# Altium PCB fpga.PcbDoc (part 8 of 11) (continued)
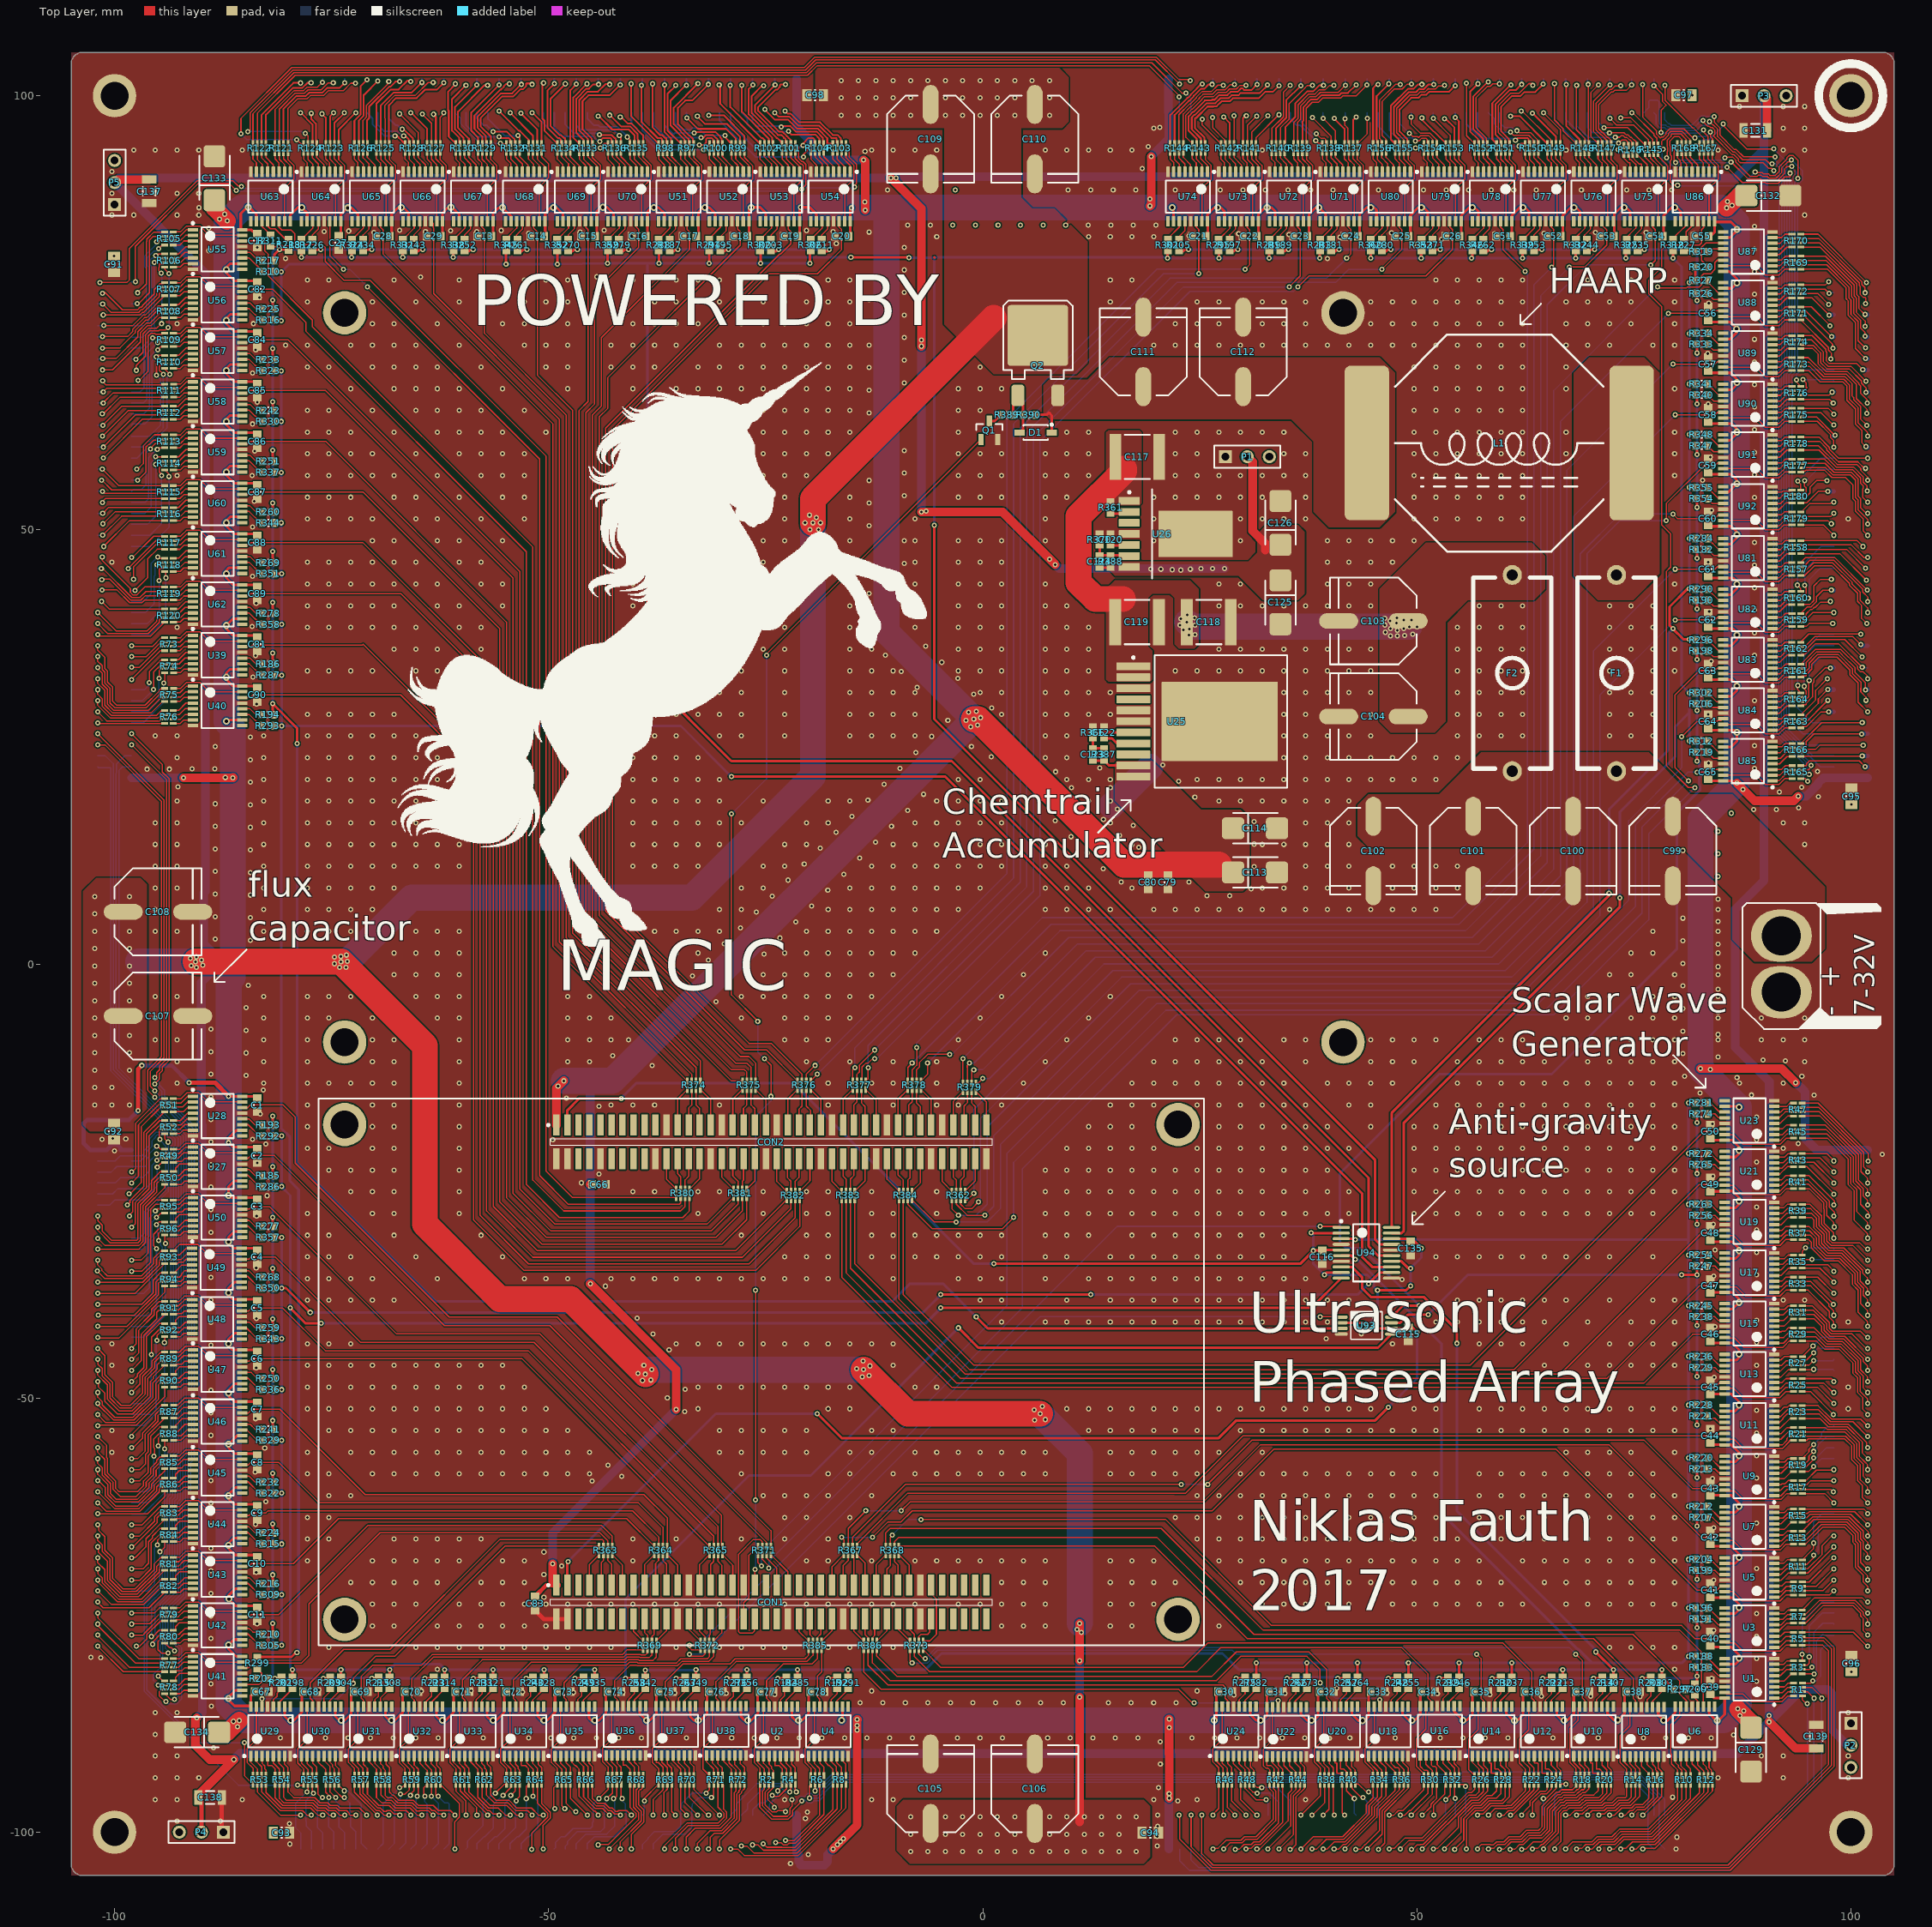
[diagram p0: Top Layer view]
## Nets (pads, with @x,y where several pads share a name; then routed paths per layer and width w, separated by ;. In a path a pad name is that pad's centre, name@x,y a point inside that pad or via, vN(x,y) a via of type N, cw(c..) or ccw(c..) an arc to the next point about the centre after c; other vN are vias at no path point) (continued)
NetJ8_9: J8.9 R168.5 | length 95.4
  Top Layer w0.15: v1@78.163,93.837 78.281,93.718 v1(78.388,93.825) 78.232,93.981 78.232,94.767 78.373,94.909 78.373,94.958 78.498,94.958 78.981,95.442 78.981,95.625 79.245,95.89 80.558,95.89 81.458,94.99 R168.5@81.458,94.742 ; v1(85.75,91.77) 87.501,90.019 90.134,90.019 90.243,89.91 91.646,89.91 92.382,90.646 93.015,90.646 v1(93.015,91.096)
  Bottom Layer w0.15: v1(78.388,93.825) 78.266,93.703 78.266,92.473 79.235,91.504 80.149,91.504 80.415,91.77 v1(85.75,91.77) ; v1(93.015,91.096) 93.028,91.096 93.116,91.008 92.945,90.837 92.945,68.785 92.301,68.141 92.301,27.073 94.258,25.116 94.485,25.116 95.636,23.965 J8.9@98.05,23.965
NetJ8_10: J8.10 R166.5 | length 8.1
  Top Layer w0.15: R166.5@93.859,23.901 93.884,23.876 94.666,23.876 94.742,23.952 v1(101.321,23.952)
  Bottom Layer w0.5: v1(101.321,23.952) 101.333,23.965 J8.10@101.95,23.965
NetJ8_11: J8.11 R168.6 | length 94.4
  Top Layer w0.15: v1(78.791,92.837) 78.791,92.906 78.816,92.931 78.867,92.88 78.867,93.562 78.913,93.608 78.913,94.043 78.867,94.089 78.867,94.904 79.281,95.317 79.281,95.486 79.385,95.59 80.432,95.59 81.01,95.012 R168.6@81.01,94.472 ; v1(86.208,92.38) 88.201,90.386 89.663,90.386 89.596,90.319 90.259,90.319 90.288,90.29 90.383,90.29 90.463,90.21 91.522,90.21 92.362,91.05 92.362,91.583 92.625,91.846 v1(93.193,91.846)
  Bottom Layer w0.15: v1(78.791,92.837) 78.791,92.846 78.799,92.854 78.799,92.6 79.206,92.194 79.206,92.188 79.589,91.804 80.024,91.804 80.498,92.278 85.516,92.278 85.533,92.295 85.968,92.295 85.985,92.278 86.106,92.278 v1(86.208,92.38) ; v1(93.193,91.846) 93.193,91.725 93.718,91.2 93.718,91.056 93.379,90.718 93.379,90.427 93.245,90.293 93.245,68.66 92.601,68.017 92.601,27.197 94.382,25.416 94.61,25.416 94.79,25.235 J8.11@98.05,25.235
NetJ8_12: J8.12 R166.6 | length 7.5
  Top Layer w0.15: R166.6@94.234,24.4 94.359,24.525 94.783,24.525 94.998,24.74 95.961,24.74 96.418,25.197 v1(101.422,25.197)
NetJ8_13: J8.13 R168.7 | length 95.1
  Top Layer w0.15: v1(80.035,89.713) 79.553,89.713 79.213,90.052 79.213,92.517 79.341,92.645 79.341,92.848 79.335,92.855 79.335,93.061 79.213,93.182 79.213,94.167 79.167,94.213 79.167,94.779 79.677,95.29 80.199,95.29 80.51,94.979 R168.7@80.51,94.472 ; v1(88.976,91.211) 89.052,91.135 89.812,91.135 89.961,90.986 90.536,90.986 90.712,90.81 91.273,90.81 91.762,91.299 91.762,91.831 92.617,92.686 92.617,92.826 92.924,93.133 93.359,93.133 93.904,92.589 v1(93.904,90.5)
  Bottom Layer w0.15: v1(80.035,89.713) 80.112,89.637 87.401,89.637 v1(88.976,91.211) ; v1(93.904,90.5) 93.904,90.272 93.878,90.246 93.751,90.246 93.545,90.04 93.545,68.536 92.901,67.892 92.901,28.105 94.501,26.505 J8.13@98.05,26.505
NetJ8_14: J8.14 R166.7 | length 8.8
  Top Layer w0.15: R166.7@94.234,24.9 94.234,24.976 94.283,25.025 94.859,25.025 94.859,25.601 95.75,26.492 v1(101.244,26.492)
  Bottom Layer w0.5: v1(101.244,26.492) 101.257,26.505 J8.14@101.95,26.505
NetJ8_15: J8.15 R168.8 | length 88.1
  Top Layer w0.15: v1(79.807,92.329) 79.781,92.329 79.731,92.278 79.641,92.368 79.641,92.973 79.635,92.979 79.635,93.965 79.652,93.982 79.652,94.114 R168.8@80.01,94.472 ; v1(85.496,92.837) 85.564,92.905 86.425,92.905 86.733,92.597 86.733,92.385 88.432,90.686 89.194,90.686 89.342,90.835 89.687,90.835 89.836,90.686 90.412,90.686 90.412,90.59 ; 90.508,90.59 90.588,90.51 91.398,90.51 92.062,91.174 92.062,91.707 92.726,92.371 93.11,92.371 93.142,92.403 v1(93.142,92.608)
  Bottom Layer w0.15: v1(79.807,92.329) 80.125,92.329 80.374,92.578 85.365,92.578 85.496,92.71 v1(85.496,92.837) ; v1(93.142,92.608) 93.173,92.608 94.429,91.353 94.429,90.283 94.092,89.946 93.878,89.946 93.878,88.646 93.845,88.612 93.845,68.412 93.201,67.768 93.201,30.15 95.576,27.775 J8.15@98.05,27.775
NetJ8_16: J8.16 R166.8 | length 8.1
  Top Layer w0.15: R166.8@94.234,25.4 96.622,27.788 v1(101.321,27.788)
NetJ8_17: J8.17 R163.5 | length 4.6
  Top Layer w0.15: R163.5@94.226,27.19 94.351,27.315 94.851,27.315 96.568,29.032 v1(97.434,29.032)
  Bottom Layer w0.5: v1(97.434,29.032) 97.447,29.045 J8.17@98.05,29.045
NetJ8_18: J8.18 R161.5 | length 13.3
  Top Layer w0.15: R161.5@94.226,33.032 94.351,33.157 94.851,33.157 94.851,33.308 95.499,33.957 95.499,34.532 96.313,35.346 98.4,35.346 99.896,33.85 99.896,33.318 100.838,32.376 100.838,30.157 v1(101.95,29.045)
NetJ8_19: J8.19 R163.6 | length 4.3
  Top Layer w0.15: R163.6@94.226,27.69 94.67,27.69 97.231,30.251 97.307,30.251 97.307,30.328 v1(97.333,30.353)
NetJ8_20: J8.20 R161.6 | length 12.1
  Top Layer w0.15: R161.6@94.226,33.532 94.65,33.532 95.151,34.033 95.151,34.039 95.199,34.087 95.199,34.657 96.188,35.646 98.525,35.646 100.196,33.975 100.196,33.443 101.16,32.478 101.16,31.773 101.151,31.764 101.151,31.329 101.752,30.728 v1(101.752,30.353)
NetJ8_21: J8.21 R163.7 | length 5.7
  Top Layer w0.15: R163.7@94.226,28.19 94.351,28.315 94.851,28.315 94.851,28.608 96.261,30.018 96.261,30.526 97.333,31.598 v1(97.358,31.598)
  Bottom Layer w0.5: v1(97.358,31.598) 97.371,31.585 J8.21@98.05,31.585
NetJ8_22: J8.22 R161.7 | length 11.6
  Top Layer w0.15: R161.7@94.226,34.032 94.226,34.108 94.275,34.157 94.851,34.157 94.851,34.733 96.064,35.946 98.689,35.946 98.991,35.644 98.991,35.603 100.496,34.099 100.496,33.567 101.676,32.386 v1(101.676,31.547)
  Bottom Layer w0.5: v1(101.676,31.547) 101.714,31.585 J8.22@101.95,31.585
NetJ8_23: J8.23 R163.8 | length 5.4
  Top Layer w0.15: R163.8@94.226,28.69 95.961,30.425 95.961,31.521 97.282,32.842 v1(97.307,32.842)
NetJ8_24: J8.24 R161.8 | length 10.2
  Top Layer w0.15: R161.8@94.226,34.532 95.94,36.246 98.814,36.246 100.796,34.264 100.796,33.946 101.103,33.638 101.421,33.638 101.879,33.18 101.879,32.926 v1(101.95,32.855)
NetJ8_25: J8.25 R164.5 | length 6.8
  Top Layer w0.15: R164.5@94.226,29.73 94.351,29.855 94.851,29.855 94.851,30.038 95.58,30.767 95.58,32.278 95.724,32.422 95.724,32.783 97.028,34.087 v1(97.638,34.087)
  Bottom Layer w0.5: v1(97.638,34.087) 97.676,34.125 J8.25@98.05,34.125
NetJ8_26: J8.26 R162.5 | length 9.4
  Top Layer w0.15: R162.5@94.218,35.56 94.343,35.685 94.711,35.685 94.843,35.817 94.843,35.821 95.877,36.855 98.628,36.855 v1(101.321,34.163)
  Bottom Layer w0.15: v1(101.321,34.163) 101.359,34.125 J8.26@101.95,34.125
NetJ8_27: J8.27 R164.6 | length 7.9
  Top Layer w0.15: R164.6@94.226,30.23 94.619,30.23 95.151,30.762 95.151,31.597 95.076,31.672 95.165,31.761 95.165,32.196 95.139,32.223 95.139,32.578 v1(95.199,32.639)
  Bottom Layer w0.15: v1(95.199,32.639) 95.199,34.036 96.558,35.395 J8.27@98.05,35.395
NetJ8_28: J8.28 R162.6 | length 8.4
  Top Layer w0.15: R162.6@94.218,36.06 94.658,36.06 95.961,37.363 99.289,37.363 v1(101.295,35.357)
NetJ8_29: J8.29 R164.7 | length 9.2
  Top Layer w0.15: R164.7@94.226,30.73 94.594,30.73 94.851,30.987 94.851,31.473 94.64,31.684 v1(94.64,31.979)
  Bottom Layer w0.15: v1(94.64,31.979) 94.59,32.029 94.59,35.408 95.847,36.665 J8.29@98.05,36.665
NetJ8_30: J8.30 R162.7 | length 8.6
  Top Layer w0.15: R162.7@94.218,36.56 94.343,36.685 94.843,36.685 95.856,37.698 100.224,37.698 v1(101.143,36.779)
  Bottom Layer w0.5: v1(101.143,36.779) 101.257,36.665 J8.30@101.95,36.665
NetJ8_31: J8.31 R164.8 | length 9.5
  Top Layer w0.15: v1(93.878,32.08) 93.878,31.578 R164.8@94.226,31.23
  Bottom Layer w0.15: v1(93.878,32.08) 93.878,35.357 96.457,37.935 J8.31@98.05,37.935
NetJ8_32: J8.32 R162.8 | length 7.3
  Top Layer w0.15: R162.8@94.218,37.06 95.156,37.998 v1(101.168,37.998)
NetJ8_33: J8.33 R159.5 | length 3.8
  Top Layer w0.15: R159.5@94.226,38.874 94.881,38.874 95.225,39.218 v1(97.917,39.218)
NetJ8_34: J8.34 R157.5 | length 12.4
  Top Layer w0.15: R157.5@94.218,44.728 94.664,44.728 95.783,45.847 97.838,45.847 99.852,43.833 99.852,43.615 100.78,42.687 100.78,41.748 101.244,41.284 101.244,39.802 v1(101.829,39.218)
NetJ8_35: J8.35 R159.6 | length 4.4
  Top Layer w0.15: R159.6@94.226,39.374 94.351,39.499 94.851,39.499 94.851,39.707 95.619,40.475 v1(98.05,40.475)
NetJ8_36: J8.36 R157.6 | length 11.5
  Top Layer w0.15: R157.6@94.218,45.228 94.718,45.228 95.702,46.212 97.897,46.212 100.152,43.957 100.152,43.739 101.08,42.811 101.08,41.873 101.95,41.003 v1(101.95,40.475)
NetJ8_37: J8.37 R159.7 | length 4.4
  Top Layer w0.15: R159.7@94.226,39.874 94.351,39.999 94.719,39.999 94.851,40.131 94.851,40.317 95.336,40.802 95.524,40.802 95.794,41.072 95.885,41.072 96.495,41.681 97.638,41.681 97.638,41.732 v1(97.663,41.758)
NetJ8_38: J8.38 R157.7 | length 10.6
  Top Layer w0.15: R157.7@94.218,45.728 94.586,45.728 94.843,45.985 94.843,46.05 95.306,46.512 98.021,46.512 101.38,43.154 101.38,42.836 101.981,42.234 101.981,41.776 v1(101.95,41.745)
NetJ8_39: J8.39 R159.8 | length 5.3
  Top Layer w0.15: R159.8@94.226,40.374 94.954,41.102 95.4,41.102 96.033,41.735 96.033,42.312 96.774,43.053 v1(97.765,43.053)
  Bottom Layer w0.5: v1(97.765,43.053) 97.803,43.015 J8.39@98.05,43.015
NetJ8_40: J8.40 R157.8 | length 9.5
  Top Layer w0.15: R157.8@94.218,46.228 94.802,46.812 98.146,46.812 v1(101.905,43.053)
  Bottom Layer w0.5: v1(101.905,43.053) 101.943,43.015 J8.40@101.95,43.015
NetJ8_41: J8.41 R160.5 | length 5.7
  Top Layer w0.15: R160.5@94.218,41.402 95.275,41.402 95.733,41.859 95.733,43.536 96.495,44.298 v1(97.765,44.298)
NetJ8_42: J8.42 R158.5 | length 8.8
  Top Layer w0.15: R158.5@94.226,47.256 98.743,47.256 v1(101.778,44.221)
NetJ8_43: J8.43 R160.6 | length 6.6
  Top Layer w0.15: R160.6@94.218,41.902 94.886,41.902 v1(95.098,42.113)
  Bottom Layer w0.15: v1(95.098,42.113) 95.047,42.164 95.021,42.164 95.021,42.215 95.199,42.393 95.199,43.377 95.216,43.394 95.216,44.315 96.457,45.555 J8.43@98.05,45.555
NetJ8_44: J8.44 R158.6 | length 8.6
  Top Layer w0.15: R158.6@94.226,47.756 99.513,47.756 v1(101.676,45.593)
  Bottom Layer w0.15: v1(101.676,45.593) 101.714,45.555 J8.44@101.95,45.555
NetJ8_45: J8.45 R160.7 | length 7.5
  Top Layer w0.15: R160.7@94.218,42.402 94.343,42.527 94.711,42.527 94.843,42.659 94.843,43.277 94.691,43.429 v1(94.691,43.612)
  Bottom Layer w0.15: v1(94.691,43.612) 94.691,45.415 96.101,46.825 J8.45@98.05,46.825
NetJ8_46: J8.46 R158.7 | length 8.3
  Top Layer w0.15: R158.7@94.226,48.256 100.055,48.256 101.524,46.787 101.912,46.787 v1(101.95,46.825)
NetJ8_47: J8.47 R160.8 | length 7.9
  Top Layer w0.15: v1(93.853,43.637) 94.218,43.272 R160.8@94.218,42.902
  Bottom Layer w0.15: v1(93.853,43.637) 93.853,45.364 96.584,48.095 J8.47@98.05,48.095
NetJ8_48: J8.48 R158.8 | length 7.4
  Top Layer w0.15: R158.8@94.226,48.756 100.723,48.756 v1(101.397,48.082)
NetJ8_49: J8.49 R179.5 | length 4.3
  Top Layer w0.15: R179.5@94.226,50.558 96.857,50.558 v1(98.05,49.365)
NetJ8_50: J8.50 R177.5 | length 13.3
  Top Layer w0.15: R177.5@94.226,56.654 94.351,56.779 94.719,56.779 94.794,56.854 96.988,56.854 97.806,56.036 99.383,56.036 100.225,55.194 100.225,53.605 100.542,53.288 100.542,52.146 101.422,51.266 101.422,49.893 v1(101.95,49.365)
NetJ8_51: J8.51 R179.6 | length 3.7
  Top Layer w0.15: R179.6@94.226,51.058 97.354,51.058 97.714,50.698 v1(97.765,50.698)
NetJ8_52: J8.52 R177.6 | length 12.5
  Top Layer w0.15: R177.6@94.226,57.154 97.113,57.154 97.931,56.336 99.932,56.336 100.525,55.743 100.525,53.729 100.842,53.412 100.842,52.27 101.956,51.157 v1(101.956,50.673)
NetJ8_53: J8.53 R179.7 | length 4
  Top Layer w0.15: R179.7@94.226,51.558 97.703,51.558 v1(98.05,51.905)
NetJ8_54: J8.54 R177.7 | length 11.9
  Top Layer w0.15: R177.7@94.226,57.654 97.037,57.654 98.055,56.636 100.056,56.636 100.825,55.867 100.825,53.876 101.142,53.558 101.142,52.528 101.829,51.841 101.892,51.905 v1(101.95,51.905)
NetJ8_55: J8.55 R179.8 | length 4.4
  Top Layer w0.15: R179.8@94.226,52.058 94.291,52.058 95.268,53.035 97.688,53.035 97.688,53.061 97.892,53.264 97.98,53.175 v1(98.05,53.175)
NetJ8_56: J8.56 R177.8 | length 11
  Top Layer w0.15: R177.8@94.226,58.154 94.228,58.152 96.963,58.152 98.179,56.936 100.18,56.936 101.125,55.991 101.125,55.373 101.422,55.076 101.422,54.768 101.354,54.7 101.354,53.771 v1(101.95,53.175)
NetJ8_57: J8.57 R180.5 | length 4.4
  Top Layer w0.15: R180.5@94.226,53.098 94.906,53.098 96.241,54.432 v1(97.358,54.432)
  Bottom Layer w0.5: v1(97.358,54.432) 97.371,54.445 J8.57@98.05,54.445
NetJ8_58: J8.58 R178.5 | length 10.3
  Top Layer w0.15: R178.5@94.226,59.194 96.345,59.194 98.303,57.236 100.305,57.236 101.425,56.115 101.425,55.498 101.879,55.043 v1(101.879,54.483)
NetJ8_59: J8.59 R180.6 | length 4.3
  Top Layer w0.15: R180.6@94.226,53.598 94.65,53.598 95.301,54.249 95.301,54.915 96.063,55.677 v1(97.231,55.677)
NetJ8_60: J8.60 R178.6 | length 9.7
  Top Layer w0.15: R178.6@94.226,59.694 96.27,59.694 98.428,57.536 100.688,57.536 101.151,57.073 101.151,56.856 101.95,56.058 v1(101.95,55.715)
NetJ8_61: J8.61 R180.7 | length 6.1
  Top Layer w0.15: R180.7@94.226,54.098 94.351,54.223 94.851,54.223 94.851,54.841 94.666,55.026 v1(94.666,55.651)
  Bottom Layer w0.15: v1(94.666,55.651) 94.818,55.651 96.152,56.985 J8.61@98.05,56.985
NetJ8_62: J8.62 R178.7 | length 9
  Top Layer w0.15: R178.7@94.226,60.194 96.405,60.194 97.225,59.374 97.225,59.183 97.511,58.898 97.511,58.877 98.354,58.034 98.357,58.034 98.365,58.043 98.573,57.836 100.813,57.836 101.676,56.972 v1(101.676,57.074)
NetJ8_63: J8.63 R180.8 | length 6.4
  Top Layer w0.15: v1(93.878,55.601) 94.226,55.253 R180.8@94.226,54.598
  Bottom Layer w0.15: v1(93.878,55.601) 93.878,55.606 96.527,58.255 J8.63@98.05,58.255
NetJ8_64: J8.64 R178.8 | length 8.8
  Top Layer w0.15: R178.8@94.226,60.694 96.329,60.694 97.525,59.498 97.525,59.308 98.578,58.255 v1(101.95,58.255)
NetJ8_65: J8.65 R175.5 | length 5.7
  Top Layer w0.15: R175.5@94.226,62.496 96.135,62.496 97.646,60.985 97.646,60.666 97.993,60.319 97.993,59.563 98.031,59.525 v1(98.05,59.525)
NetJ8_66: J8.66 R173.5 | length 14.2
  Top Layer w0.15: R173.5@94.226,68.338 95.162,68.338 96.462,67.038 99.08,67.038 99.552,66.566 99.552,64.93 100.543,63.939 100.543,62.171 101.295,61.419 101.295,60.02 v1(101.727,59.588)
  Bottom Layer w0.5: v1(101.727,59.588) 101.79,59.525 J8.66@101.95,59.525
NetJ8_67: J8.67 R175.6 | length 5
  Top Layer w0.15: R175.6@94.226,62.996 96.059,62.996 v1(98.171,60.884)
  Bottom Layer w0.5: J8.67@98.05,60.795 98.082,60.795 v1(98.171,60.884)
NetJ8_68: J8.68 R173.6 | length 13.3
  Top Layer w0.15: R173.6@94.226,68.838 95.221,68.838 96.711,67.347 99.195,67.347 99.852,66.69 99.852,65.054 100.843,64.063 100.843,62.296 101.93,61.208 101.93,60.815 v1(101.95,60.795)
NetJ8_69: J8.69 R175.7 | length 4.4
  Top Layer w0.15: R175.7@94.226,63.496 96.549,63.496 97.98,62.065 v1(98.05,62.065)
NetJ8_70: J8.70 R173.7 | length 12.6
  Top Layer w0.15: R173.7@94.226,69.338 95.184,69.338 96.875,67.647 99.319,67.647 100.152,66.814 100.152,65.405 100.327,65.23 100.327,65.003 101.143,64.187 101.143,62.738 v1(101.829,62.052)
  Bottom Layer w0.15: v1(101.829,62.052) 101.841,62.065 J8.70@101.95,62.065
NetJ8_71: J8.71 R175.8 | length 4.1
  Top Layer w0.15: R175.8@94.226,63.996 97.389,63.996 v1(98.05,63.335)
NetJ8_72: J8.72 R173.8 | length 11.5
  Top Layer w0.15: R173.8@94.226,69.838 95.108,69.838 96.999,67.947 99.444,67.947 100.627,66.764 100.627,65.127 101.854,63.901 v1(101.854,63.398)
NetJ8_73: J8.73 R176.5 | length 3.9
  Top Layer w0.15: R176.5@94.226,65.036 97.524,65.036 v1(97.968,64.592)
NetJ8_74: J8.74 R174.5 | length 11.7
  Top Layer w0.15: R174.5@94.226,70.878 95.609,70.878 96.217,70.269 96.217,69.153 97.124,68.247 99.568,68.247 100.927,66.888 100.927,66.765 101.143,66.55 101.143,65.704 101.879,64.967 v1(101.879,64.618)
NetJ8_75: J8.75 R176.6 | length 4
  Top Layer w0.15: R176.6@94.226,65.536 97.515,65.536 v1(97.841,65.862)
  Bottom Layer w0.5: v1(97.841,65.862) 97.854,65.875 J8.75@98.05,65.875
NetJ8_76: J8.76 R174.6 | length 11.2
  Top Layer w0.15: R174.6@94.226,71.378 94.351,71.253 95.658,71.253 96.517,70.394 96.517,69.278 97.248,68.547 99.829,68.547 101.227,67.149 101.227,66.889 101.752,66.364 v1(101.752,65.837)
  Bottom Layer w0.5: v1(101.752,65.837) 101.791,65.875 J8.76@101.95,65.875
NetJ8_77: J8.77 R176.7 | length 5.6
  Top Layer w0.15: R176.7@94.226,66.036 94.611,66.036 94.945,66.37 94.851,66.464 94.851,66.911 94.488,67.274 v1(94.488,67.31)
  Bottom Layer w0.15: v1(94.488,67.31) 97.885,67.31 J8.77@98.05,67.145
NetJ8_78: J8.78 R174.7 | length 10.2
  Top Layer w0.15: R174.7@94.226,71.878 95.457,71.878 96.817,70.518 96.817,69.402 97.372,68.847 100.012,68.847 v1(101.752,67.107)
NetJ8_79: J8.79 R176.8 | length 6.4
  Top Layer w0.15: v1(93.726,67.285) 93.528,67.285 93.503,67.259 R176.8@94.226,66.536
  Bottom Layer w0.15: v1(93.726,67.285) 93.726,67.869 94.272,68.415 J8.79@98.05,68.415
NetJ8_80: J8.80 R174.8 | length 10.1
  Top Layer w0.15: R174.8@94.226,72.378 95.541,72.378 97.117,70.802 97.117,70.575 97.228,70.464 97.228,69.929 97.189,69.89 97.189,69.455 97.496,69.147 100.677,69.147 v1(101.371,68.453)
  Bottom Layer w0.5: v1(101.371,68.453) 101.409,68.415 J8.80@101.95,68.415
NetJ8_81: J8.81 R171.5 | length 6
  Top Layer w0.15: R171.5@94.226,74.18 97.417,70.989 97.417,70.699 97.79,70.327 97.79,69.748 v1(97.714,69.672)
NetJ8_82: J8.82 R169.5 | length 15.5
  Top Layer w0.15: R169.5@94.234,80.026 97.293,80.026 99.441,77.878 99.441,76.638 99.714,76.365 99.714,74.699 100.526,73.887 100.526,70.899 v1(101.702,69.723)
  Bottom Layer w0.5: v1(101.702,69.723) 101.74,69.685 J8.82@101.95,69.685
NetJ8_83: J8.83 R171.6 | length 5.6
  Top Layer w0.15: R171.6@94.226,74.68 94.351,74.555 94.719,74.555 97.892,71.383 97.892,70.866 v1(97.942,70.917)
NetJ8_84: J8.84 R169.6 | length 14.5
  Top Layer w0.15: R169.6@94.234,80.526 97.218,80.526 99.778,77.965 99.778,76.725 100.014,76.489 100.014,74.823 100.826,74.012 100.826,71.793 101.676,70.942 v1(101.702,70.968)
NetJ8_85: J8.85 R171.7 | length 5
  Top Layer w0.15: R171.7@94.226,75.18 94.848,75.18 v1(97.79,72.238)
  Bottom Layer w0.5: v1(97.79,72.238) 97.803,72.225 J8.85@98.05,72.225
NetJ8_86: J8.86 R169.7 | length 14
  Top Layer w0.15: R169.7@94.234,80.901 R169.7@94.234,81.026 97.142,81.026 100.078,78.09 100.078,76.85 100.314,76.614 100.314,74.947 101.126,74.136 101.126,73.239 101.625,72.74 v1(101.625,72.314)
  Bottom Layer w0.5: v1(101.625,72.314) 101.714,72.225 J8.86@101.95,72.225
NetJ8_87: J8.87 R171.8 | length 4.3
  Top Layer w0.15: R171.8@94.226,75.68 95.44,75.68 97.587,73.533 v1(97.587,73.482)
NetJ8_88: J8.88 R169.8 | length 12.8
  Top Layer w0.15: R169.8@94.234,81.526 97.066,81.526 100.378,78.214 100.378,76.974 100.614,76.738 100.614,75.072 101.651,74.035 v1(101.651,73.457)
NetJ8_89: J8.89 R172.5 | length 4.7
  Top Layer w0.15: R172.5@94.226,76.72 95.517,76.72 v1(97.511,74.727)
  Bottom Layer w0.5: v1(97.511,74.727) 97.549,74.765 J8.89@98.05,74.765
NetJ8_90: J8.90 R170.5 | length 12.5
  Top Layer w0.15: R170.5@94.226,82.562 96.454,82.562 100.678,78.338 100.678,77.098 100.914,76.862 100.914,75.514 v1(101.625,74.803)
  Bottom Layer w0.5: v1(101.625,74.803) 101.663,74.765 J8.90@101.95,74.765
NetJ8_91: J8.91 R172.6 | length 3.8
  Top Layer w0.15: R172.6@94.226,77.22 96.211,77.22 v1(97.46,75.971)
NetJ8_92: J8.92 R170.6 | length 11.6
  Top Layer w0.15: R170.6@94.226,83.062 96.379,83.062 100.978,78.462 100.978,78.144 101.1,78.022 101.1,77.1 101.408,76.793 101.651,76.793 101.727,76.716 101.727,76.048 v1(101.702,76.073)
NetJ8_93: J8.93 R172.7 | length 4
  Top Layer w0.15: R172.7@94.226,77.72 97.032,77.72 v1(97.511,77.241)
  Bottom Layer w0.15: v1(97.511,77.241) 97.574,77.305 J8.93@98.05,77.305
NetJ8_94: J8.94 R170.7 | length 10.9
  Top Layer w0.15: R170.7@94.226,83.562 96.303,83.562 101.278,78.587 101.278,78.269 101.625,77.921 v1(101.625,77.318)
  Bottom Layer w0.15: v1(101.625,77.318) 101.638,77.305 J8.94@101.95,77.305
NetJ8_95: J8.95 R172.8 | length 3.4
  Top Layer w0.15: R172.8@94.226,78.22 97.092,78.22 v1(97.46,78.588)
NetJ8_96: J8.96 R170.8 | length 9.9
  Top Layer w0.15: R170.8@94.226,84.062 96.227,84.062 v1(101.803,78.486)
NetQ1_3: Q1.3 R389.1 | length 1.6
  Top Layer w0.3: Q1.3@0.762,62.518 1.366,62.518 R389.1@2.094,63.246
NetR1_1: R1.1 U1.3 | length 2.4
  Top Layer w0.15: U1.3@91.17,-83.271 92.347,-83.271 92.79,-82.828 R1.1@93.416,-82.828
NetR1_2: R1.2 U1.2 | length 2.5
  Top Layer w0.15: U1.2@91.17,-83.921 92.146,-83.921 92.739,-83.328 R1.2@93.416,-83.328
NetR1_3: R1.3 U1.1 | length 2.6
  Top Layer w0.15: U1.1@91.17,-84.571 92.047,-84.571 92.79,-83.828 R1.3@93.416,-83.828
NetR1_4: R1.4 U1.15 | length 8.7
  Top Layer w0.15: U1.15@85.47,-83.921 85.649,-84.1 87.6,-84.1 88.496,-84.996 92.046,-84.996 92.714,-84.328 R1.4@93.416,-84.328
NetR2_1: R2.1 U2.3 | length 2.4
  Top Layer w0.15: U2.3@-24.597,-91.242 -24.597,-92.185 -24.304,-92.478 -24.304,-92.697 -24.142,-92.859 R2.1@-24.142,-93.48
NetR2_2: R2.2 U2.2 | length 2.5
  Top Layer w0.15: U2.2@-25.247,-91.242 -25.247,-92.071 -24.642,-92.676 R2.2@-24.642,-93.48
NetR2_3: R2.3 U2.1 | length 2.6
  Top Layer w0.15: U2.1@-25.897,-91.242 -25.897,-91.977 -25.142,-92.732 R2.3@-25.142,-93.48
NetR2_4: R2.4 U2.15 | length 8.7
  Top Layer w0.15: R2.4@-25.642,-93.48 -25.642,-92.657 -26.322,-91.976 -26.322,-90.417 -25.247,-89.342 U2.15@-25.247,-85.542
NetR3_1: R3.1 U1.7 | length 2.4
  Top Layer w0.15: U1.7@91.17,-80.671 92.256,-80.671 92.663,-80.264 R3.1@93.4,-80.264
NetR3_2: R3.2 U1.6 | length 2.5
  Top Layer w0.15: U1.6@91.17,-81.321 92.106,-81.321 92.663,-80.764 R3.2@93.4,-80.764
NetR3_3: R3.3 U1.5 | length 2.5
  Top Layer w0.15: U1.5@91.17,-81.971 91.892,-81.971 92.599,-81.264 R3.3@93.4,-81.264
NetR3_4: R3.4 U1.4 | length 2.6
  Top Layer w0.15: U1.4@91.17,-82.621 92.288,-82.621 93.145,-81.764 R3.4@93.4,-81.764
NetR4_1: R4.1 U2.7 | length 2.4
  Top Layer w0.15: U2.7@-21.997,-91.242 -21.997,-92.184 -21.602,-92.579 R4.1@-21.602,-93.48
NetR4_2: R4.2 U2.6 | length 2.5
  Top Layer w0.15: U2.6@-22.647,-91.242 -22.647,-92.071 -22.102,-92.616 R4.2@-22.102,-93.48
NetR4_3: R4.3 U2.5 | length 2.5
  Top Layer w0.15: U2.5@-23.297,-91.242 -23.297,-92.037 -22.602,-92.732 R4.3@-22.602,-93.48
NetR4_4: R4.4 U2.4 | length 2.9
  Top Layer w0.15: U2.4@-23.947,-91.242 -23.947,-92.3 -23.922,-92.325 -23.466,-92.325 -23.102,-92.689 R4.4@-23.102,-93.48
NetR5_1: R5.1 U3.3 | length 2.4
  Top Layer w0.15: U3.3@91.17,-77.429 91.926,-77.429 92.377,-76.978 R5.1@93.4,-76.978
NetR5_2: R5.2 U3.2 | length 2.5
  Top Layer w0.15: U3.2@91.17,-78.079 91.909,-78.079 92.51,-77.478 R5.2@93.4,-77.478
NetR5_3: R5.3 U3.1 | length 2.5
  Top Layer w0.15: U3.1@91.17,-78.729 91.786,-78.729 92.537,-77.978 R5.3@93.4,-77.978
NetR5_4: R5.4 U3.15 | length 8.7
  Top Layer w0.15: U3.15@85.47,-78.079 85.591,-78.2 86.6,-78.2 87.554,-79.154 91.834,-79.154 92.51,-78.478 R5.4@93.4,-78.478
NetR6_1: R6.1 U4.3 | length 2.4
  Top Layer w0.15: U4.3@-18.755,-91.242 -18.755,-92.048 -18.3,-92.503 R6.1@-18.3,-93.48
NetR6_2: R6.2 U4.2 | length 2.5
  Top Layer w0.15: U4.2@-19.405,-91.242 -19.405,-92.071 -18.8,-92.676 R6.2@-18.8,-93.48
NetR6_3: R6.3 U4.1 | length 2.6
  Top Layer w0.15: U4.1@-20.055,-91.242 -20.055,-91.977 -19.3,-92.732 R6.3@-19.3,-93.48
NetR6_4: R6.4 U4.15 | length 8.7
  Top Layer w0.15: R6.4@-19.8,-93.48 -19.8,-92.656 -20.48,-91.976 -20.48,-90.417 -19.405,-89.342 U4.15@-19.405,-85.542
NetR7_1: R7.1 U3.7 | length 2.4
  Top Layer w0.15: U3.7@91.17,-74.829 92.365,-74.829 92.764,-74.43 R7.1@93.4,-74.43
NetR7_2: R7.2 U3.6 | length 2.5
  Top Layer w0.15: U3.6@91.17,-75.479 92.19,-75.479 92.739,-74.93 R7.2@93.4,-74.93
NetR7_3: R7.3 U3.5 | length 2.5
  Top Layer w0.15: U3.5@91.17,-76.129 91.968,-76.129 92.667,-75.43 R7.3@93.4,-75.43
NetR7_4: R7.4 U3.4 | length 2.6
  Top Layer w0.15: U3.4@91.17,-76.779 91.748,-76.779 92.597,-75.93 R7.4@93.4,-75.93
NetR8_1: R8.1 U4.7 | length 2.4
  Top Layer w0.15: U4.7@-16.155,-91.242 -16.155,-91.795 -15.76,-92.19 R8.1@-15.76,-93.48
NetR8_2: R8.2 U4.6 | length 2.5
  Top Layer w0.15: U4.6@-16.805,-91.242 -16.805,-92.034 -16.26,-92.579 R8.2@-16.26,-93.48
NetR8_3: R8.3 U4.5 | length 2.5
  Top Layer w0.15: U4.5@-17.455,-91.242 -17.455,-91.859 -16.862,-92.452 -16.862,-92.96 -16.76,-93.062 R8.3@-16.76,-93.48
NetR8_4: R8.4 U4.4 | length 2.6
  Top Layer w0.15: U4.4@-18.105,-91.242 -18.105,-91.971 -17.751,-92.325 -17.679,-92.325 -17.26,-92.745 R8.4@-17.26,-93.48
NetR9_1: R9.1 U5.3 | length 2.4
  Top Layer w0.15: U5.3@91.17,-71.645 92.053,-71.645 92.508,-71.19 R9.1@93.408,-71.19
NetR9_2: R9.2 U5.2 | length 2.5
  Top Layer w0.15: U5.2@91.17,-72.295 91.982,-72.295 92.587,-71.69 R9.2@93.408,-71.69
NetR9_3: R9.3 U5.1 | length 2.6
  Top Layer w0.15: U5.1@91.17,-72.945 91.781,-72.945 92.536,-72.19 R9.3@93.408,-72.19
NetR9_4: R9.4 U5.15 | length 8.7
  Top Layer w0.15: U5.15@85.47,-72.295 85.475,-72.3 86.4,-72.3 87.47,-73.37 91.834,-73.37 92.514,-72.69 R9.4@93.408,-72.69
NetR10_1: R10.1 U6.3 | length 2.4
  Top Layer w0.15: U6.3@81.067,-91.242 81.067,-92.243 81.522,-92.698 R10.1@81.522,-93.48
NetR10_2: R10.2 U6.2 | length 2.5
  Top Layer w0.15: U6.2@80.417,-91.242 80.417,-92.355 81.022,-92.96 R10.2@81.022,-93.48
NetR10_3: R10.3 U6.1 | length 2.6
  Top Layer w0.15: U6.1@79.767,-91.242 79.767,-91.959 80.117,-92.309 80.117,-92.479 80.522,-92.884 R10.3@80.522,-93.48
NetR10_4: R10.4 U6.15 | length 8.7
  Top Layer w0.15: R10.4@80.022,-93.48 80.022,-92.809 79.342,-92.129 79.342,-91.026 79.248,-90.932 79.248,-87.63 80.264,-86.614 80.264,-85.695 U6.15@80.417,-85.542
NetR11_1: R11.1 U5.7 | length 2.4
  Top Layer w0.15: U5.7@91.17,-69.045 92.268,-69.045 92.663,-68.65 R11.1@93.408,-68.65
NetR11_2: R11.2 U5.6 | length 2.5
  Top Layer w0.15: U5.6@91.17,-69.695 92.143,-69.695 92.688,-69.15 R11.2@93.408,-69.15
NetR11_3: R11.3 U5.5 | length 2.5
  Top Layer w0.15: U5.5@91.17,-70.345 91.943,-70.345 92.638,-69.65 R11.3@93.408,-69.65
NetR11_4: R11.4 U5.4 | length 2.6
  Top Layer w0.15: U5.4@91.17,-70.995 91.952,-70.995 92.797,-70.15 R11.4@93.408,-70.15
NetR12_1: R12.1 U6.7 | length 2.4
  Top Layer w0.15: U6.7@83.667,-91.242 83.667,-92.585 83.937,-92.855 83.937,-93.355 R12.1@84.062,-93.48
NetR12_2: R12.2 U6.6 | length 2.5
  Top Layer w0.15: U6.6@83.017,-91.242 83.017,-92.161 83.367,-92.511 83.367,-92.709 83.562,-92.904 R12.2@83.562,-93.48
NetR12_3: R12.3 U6.5 | length 2.5
  Top Layer w0.15: U6.5@82.367,-91.242 82.367,-92.273 83.062,-92.968 R12.3@83.062,-93.48
NetR12_4: R12.4 U6.4 | length 2.6
  Top Layer w0.15: U6.4@81.717,-91.242 81.717,-92.131 82.562,-92.976 R12.4@82.562,-93.48
NetR13_1: R13.1 U7.3 | length 2.4
  Top Layer w0.15: U7.3@91.17,-65.787 92.206,-65.787 92.657,-65.336 R13.1@93.4,-65.336
NetR13_2: R13.2 U7.2 | length 2.5
  Top Layer w0.15: U7.2@91.17,-66.437 92.036,-66.437 92.637,-65.836 R13.2@93.4,-65.836
NetR13_3: R13.3 U7.1 | length 2.5
  Top Layer w0.15: U7.1@91.17,-67.087 91.857,-67.087 92.608,-66.336 R13.3@93.4,-66.336
NetR13_4: R13.4 U7.15 | length 8.7
  Top Layer w0.15: U7.15@85.47,-66.437 85.507,-66.4 86.4,-66.4 87.512,-67.512 91.857,-67.512 92.533,-66.836 R13.4@93.4,-66.836
NetR14_1: R14.1 U8.3 | length 2.4
  Top Layer w0.15: U8.3@75.214,-91.298 75.214,-92.276 75.68,-92.742 R14.1@75.68,-93.48
NetR14_2: R14.2 U8.2 | length 2.4
  Top Layer w0.15: U8.2@74.564,-91.298 74.564,-92.116 75.18,-92.732 R14.2@75.18,-93.48
NetR14_3: R14.3 U8.1 | length 2.5
  Top Layer w0.15: U8.1@73.914,-91.298 73.914,-91.941 74.68,-92.707 R14.3@74.68,-93.48
NetR14_4: R14.4 U8.15 | length 8.7
  Top Layer w0.15: R14.4@74.18,-93.48 74.18,-92.722 73.406,-91.948 73.406,-88.9 74.564,-87.742 U8.15@74.564,-85.598
NetR15_1: R15.1 U7.7 | length 2.4
  Top Layer w0.15: U7.7@91.17,-63.187 92.365,-63.187 92.764,-62.788 R15.1@93.4,-62.788
NetR15_2: R15.2 U7.6 | length 2.5
  Top Layer w0.15: U7.6@91.17,-63.837 92.19,-63.837 92.739,-63.288 R15.2@93.4,-63.288
NetR15_3: R15.3 U7.5 | length 2.5
  Top Layer w0.15: U7.5@91.17,-64.487 91.968,-64.487 92.667,-63.788 R15.3@93.4,-63.788
NetR15_4: R15.4 U7.4 | length 2.6
  Top Layer w0.15: U7.4@91.17,-65.137 92.296,-65.137 93.145,-64.288 R15.4@93.4,-64.288
NetR16_1: R16.1 U8.7 | length 2.4
  Top Layer w0.15: U8.7@77.814,-91.298 77.814,-92.635 78.216,-93.037 R16.1@78.216,-93.488
NetR16_2: R16.2 U8.6 | length 2.4
  Top Layer w0.15: U8.6@77.164,-91.298 77.164,-92.192 77.498,-92.525 77.498,-92.807 77.716,-93.025 R16.2@77.716,-93.488